# Altium PCB PCB.PcbDoc (part 1 of 3)
Units mm, origin at the board's own origin, x right, y up, seen from the top; angles counter-clockwise.
Board outline 150 x 100 mm, 4 copper layers (L1, L2, L3, L4), stack 1.787 mm thick; 184 components, 112 nets, 659 pads, 390 vias.
Unrouted connection lines stored in the file: 247.
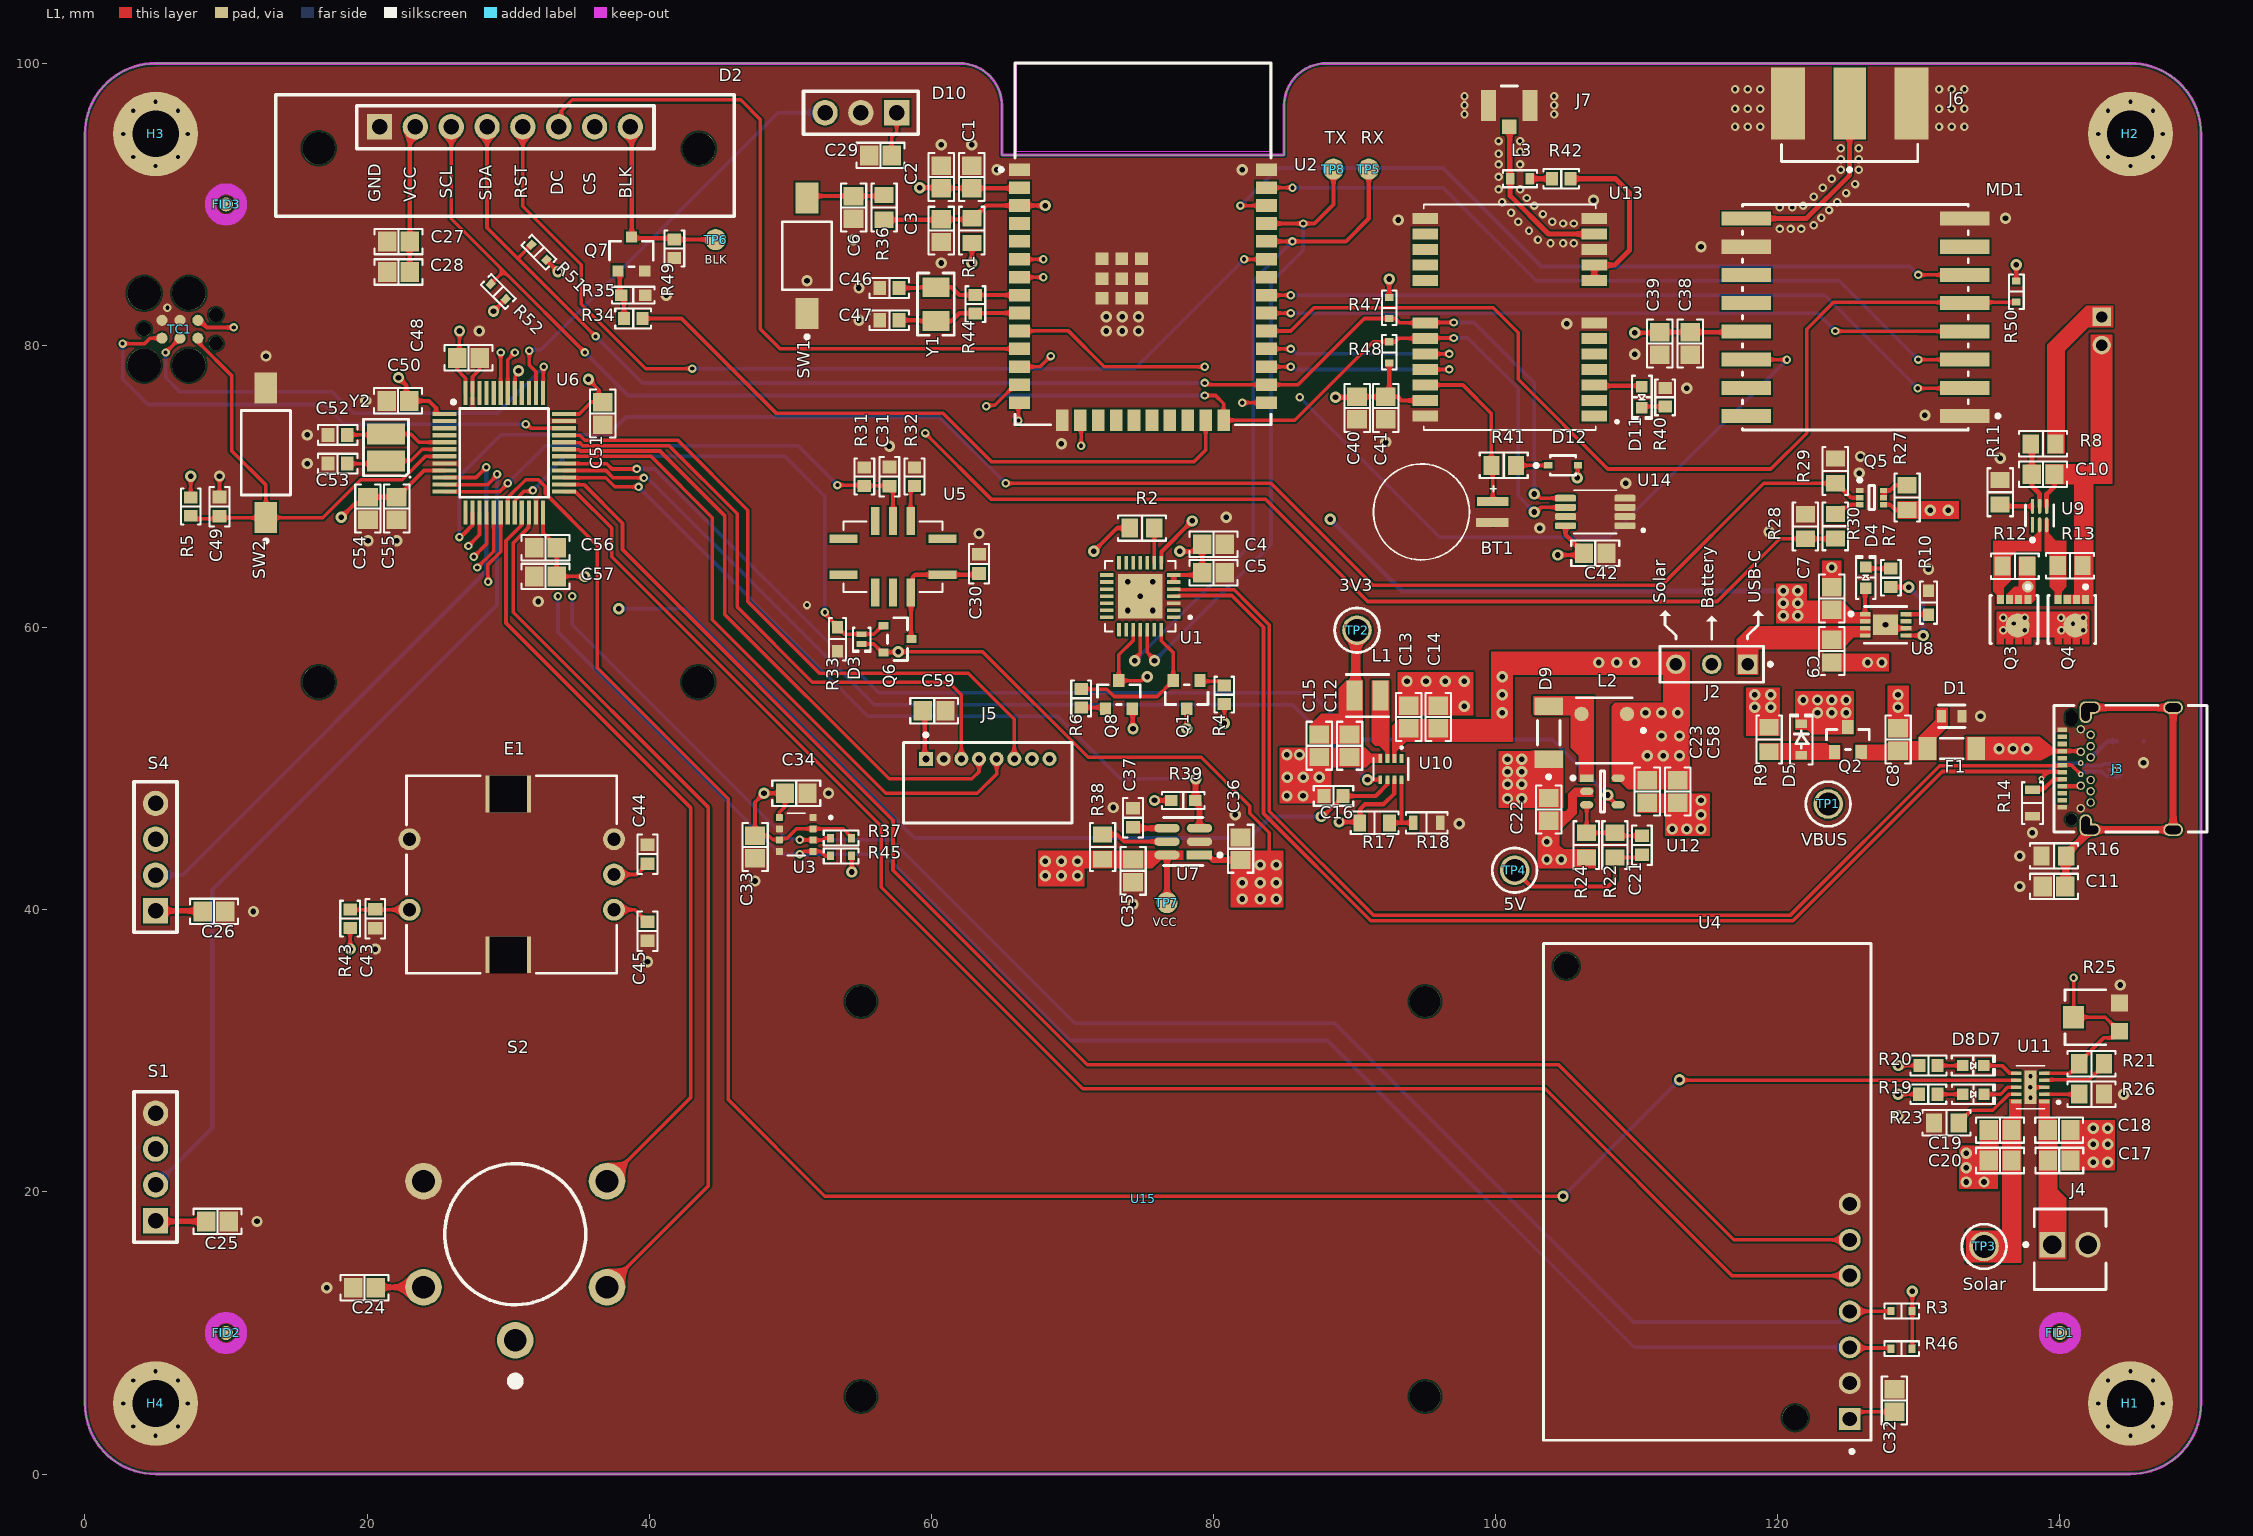
[diagram p0: L1 view]
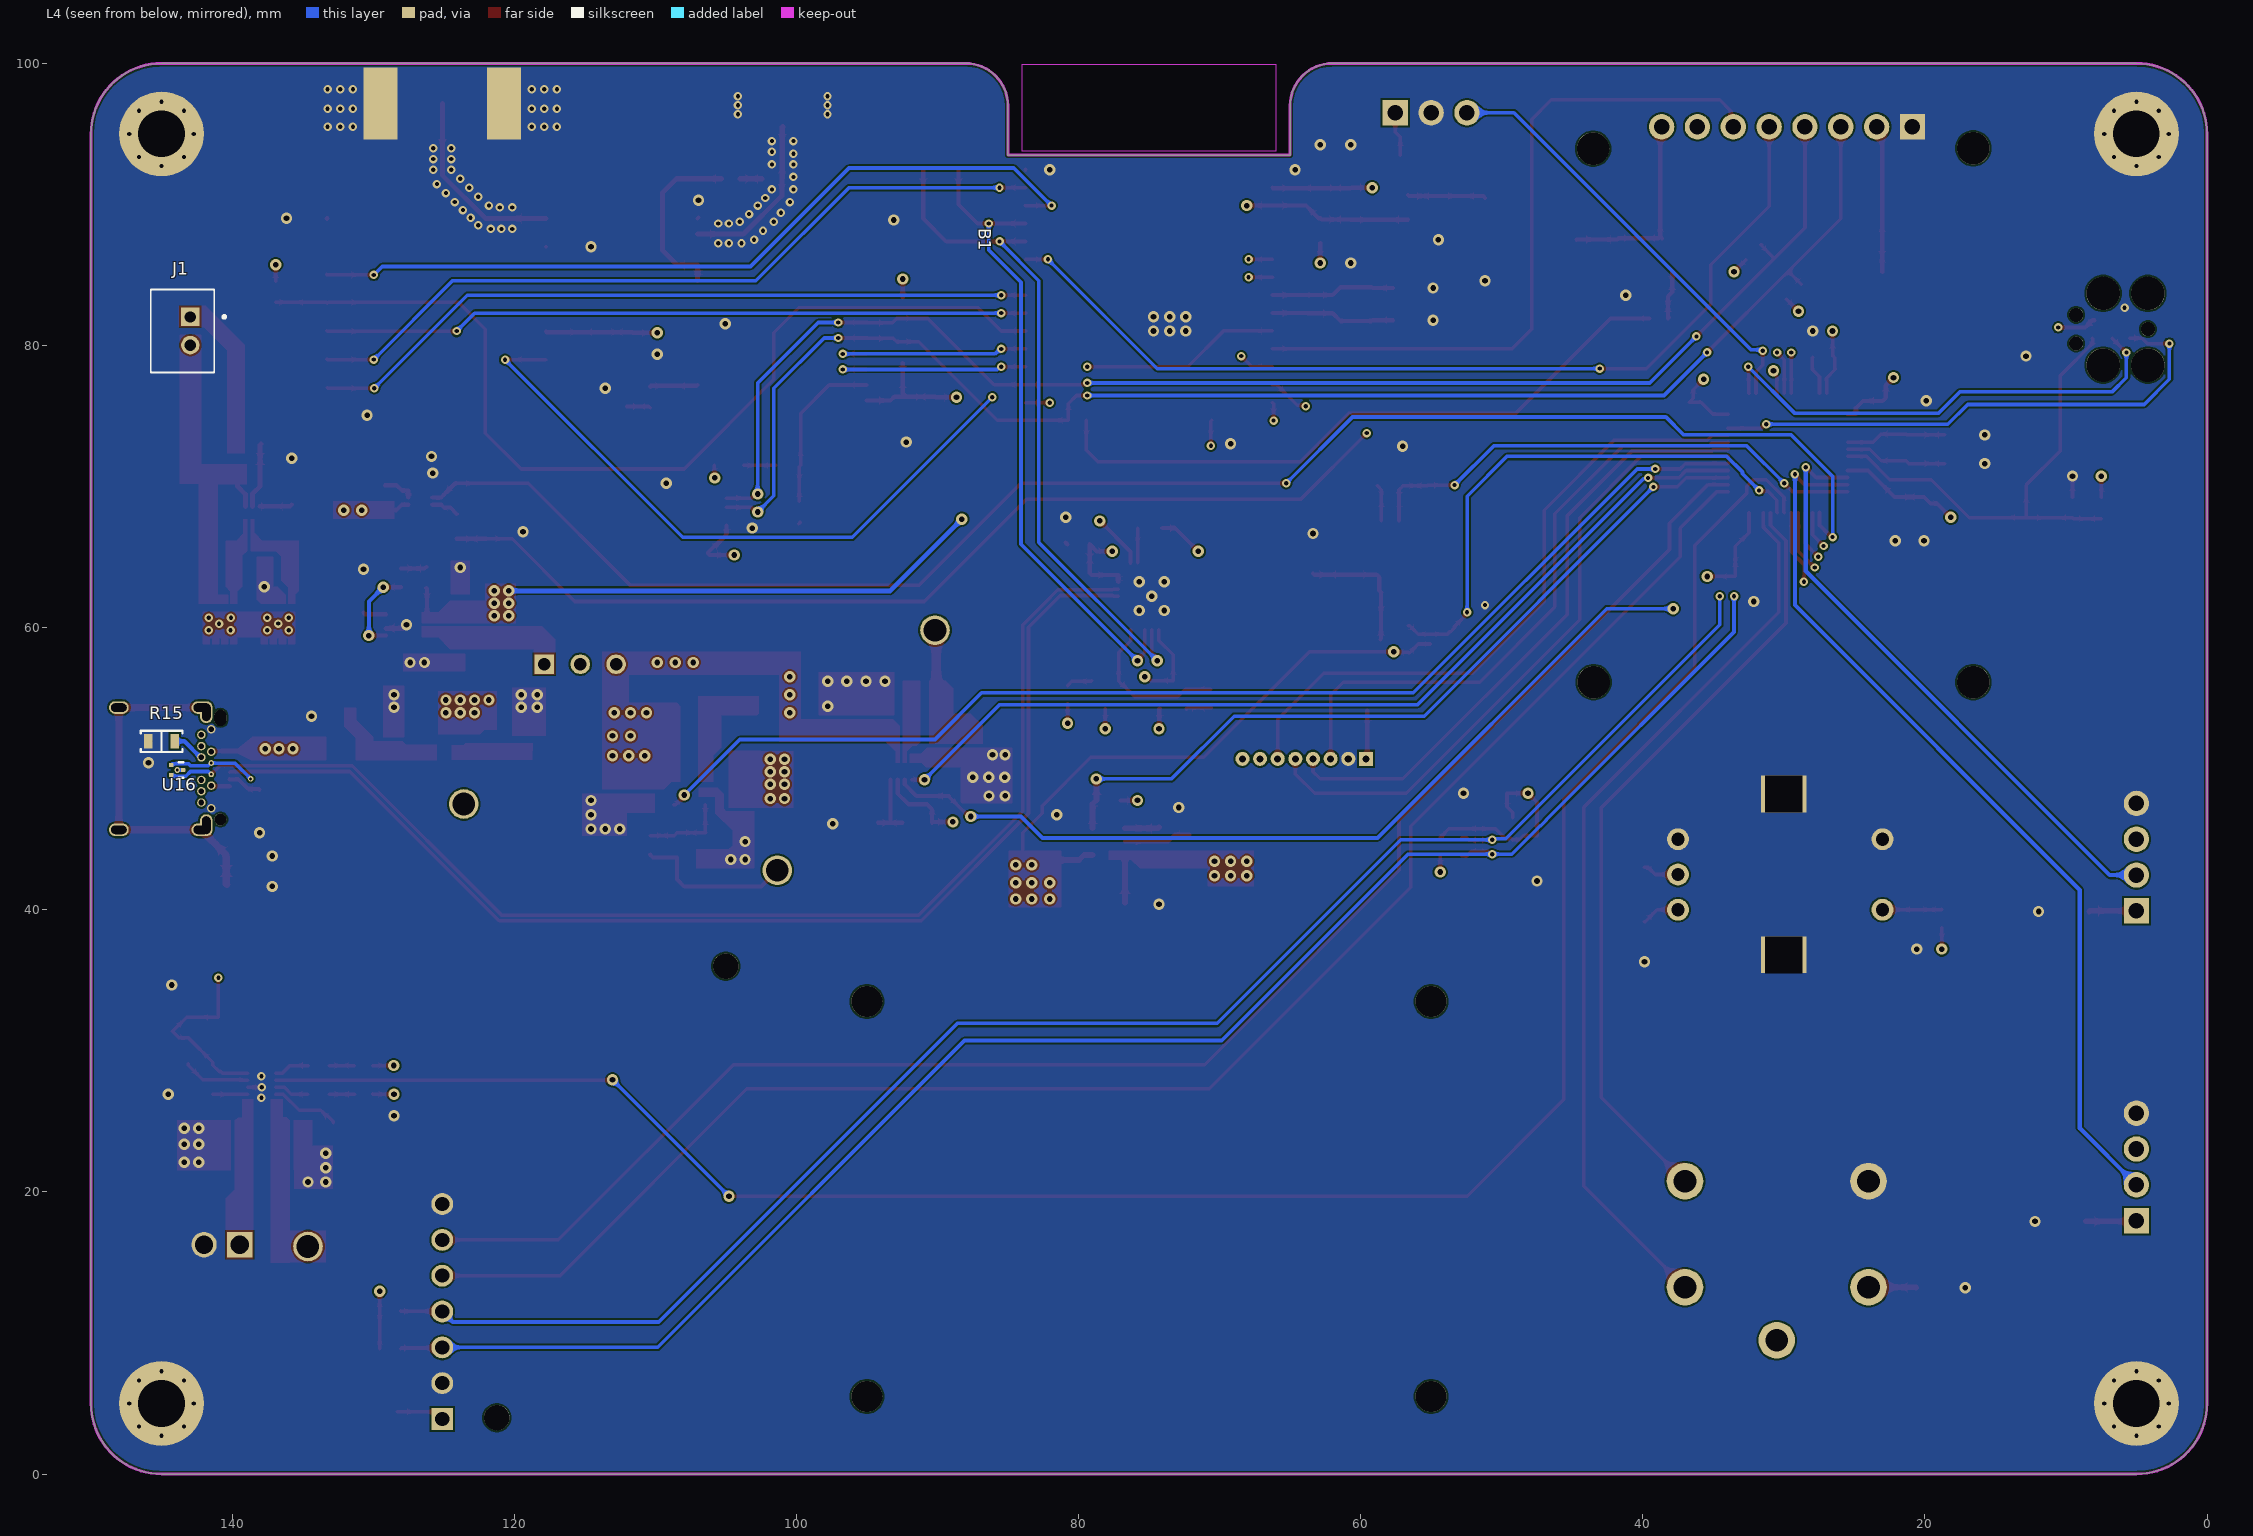
[diagram p1: L4 view, seen from below]
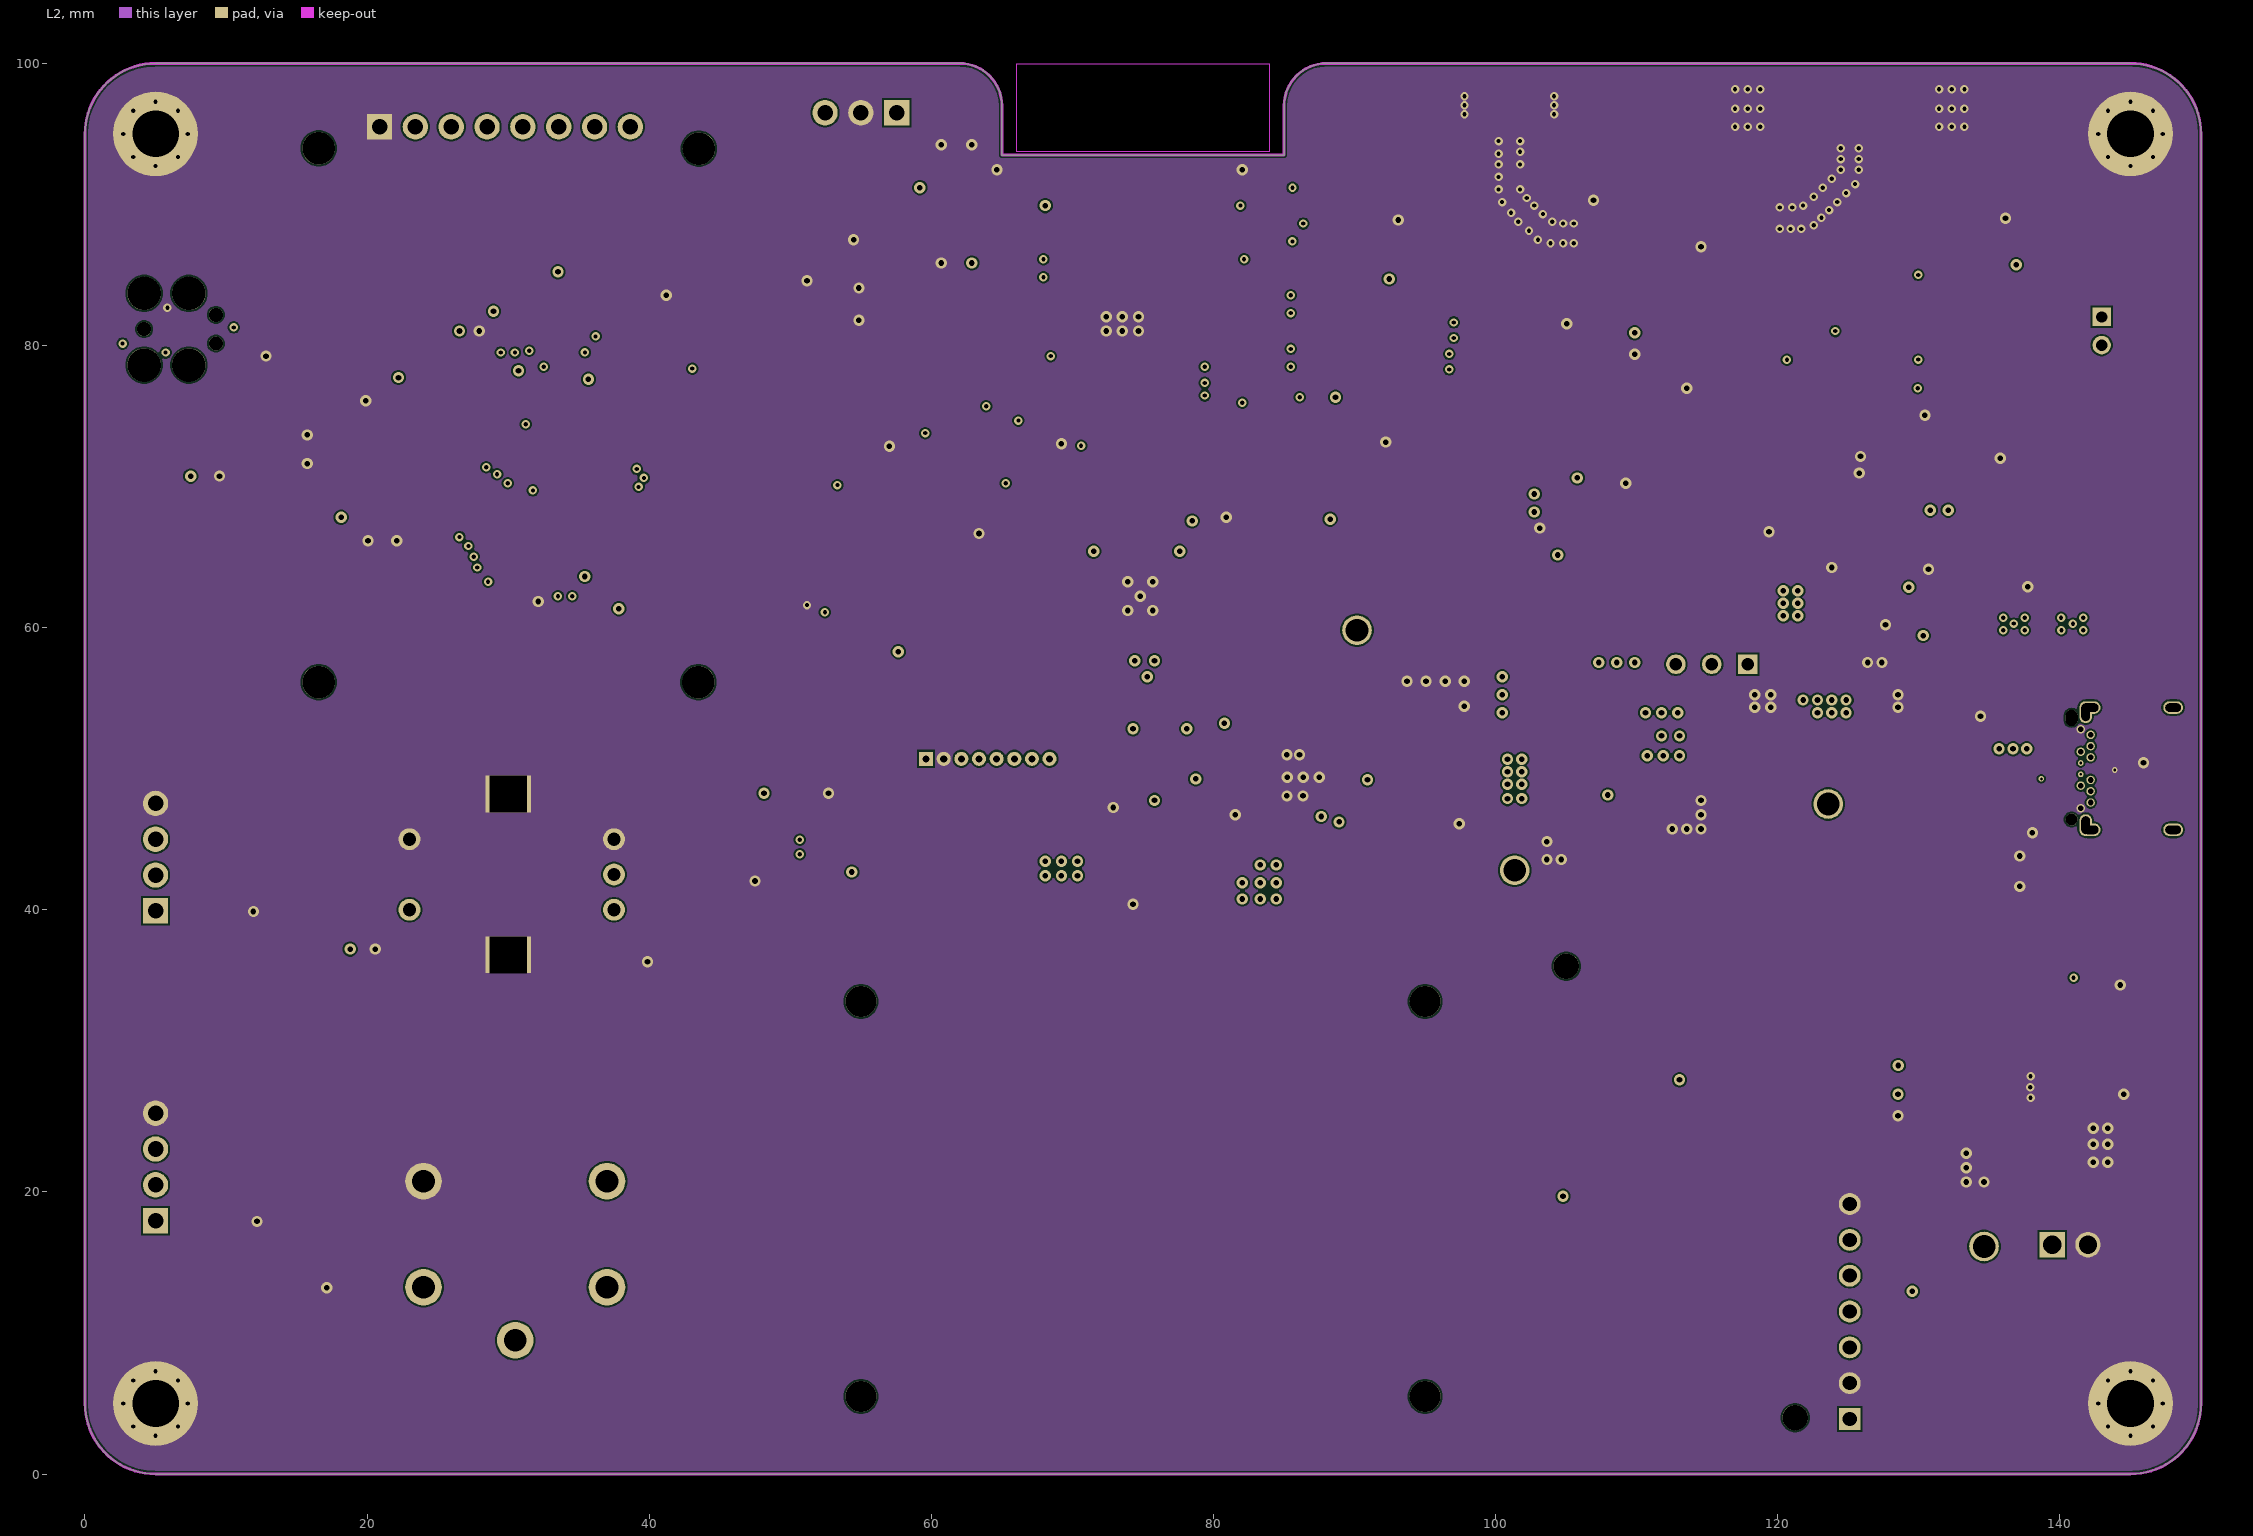
[diagram p2: L2]
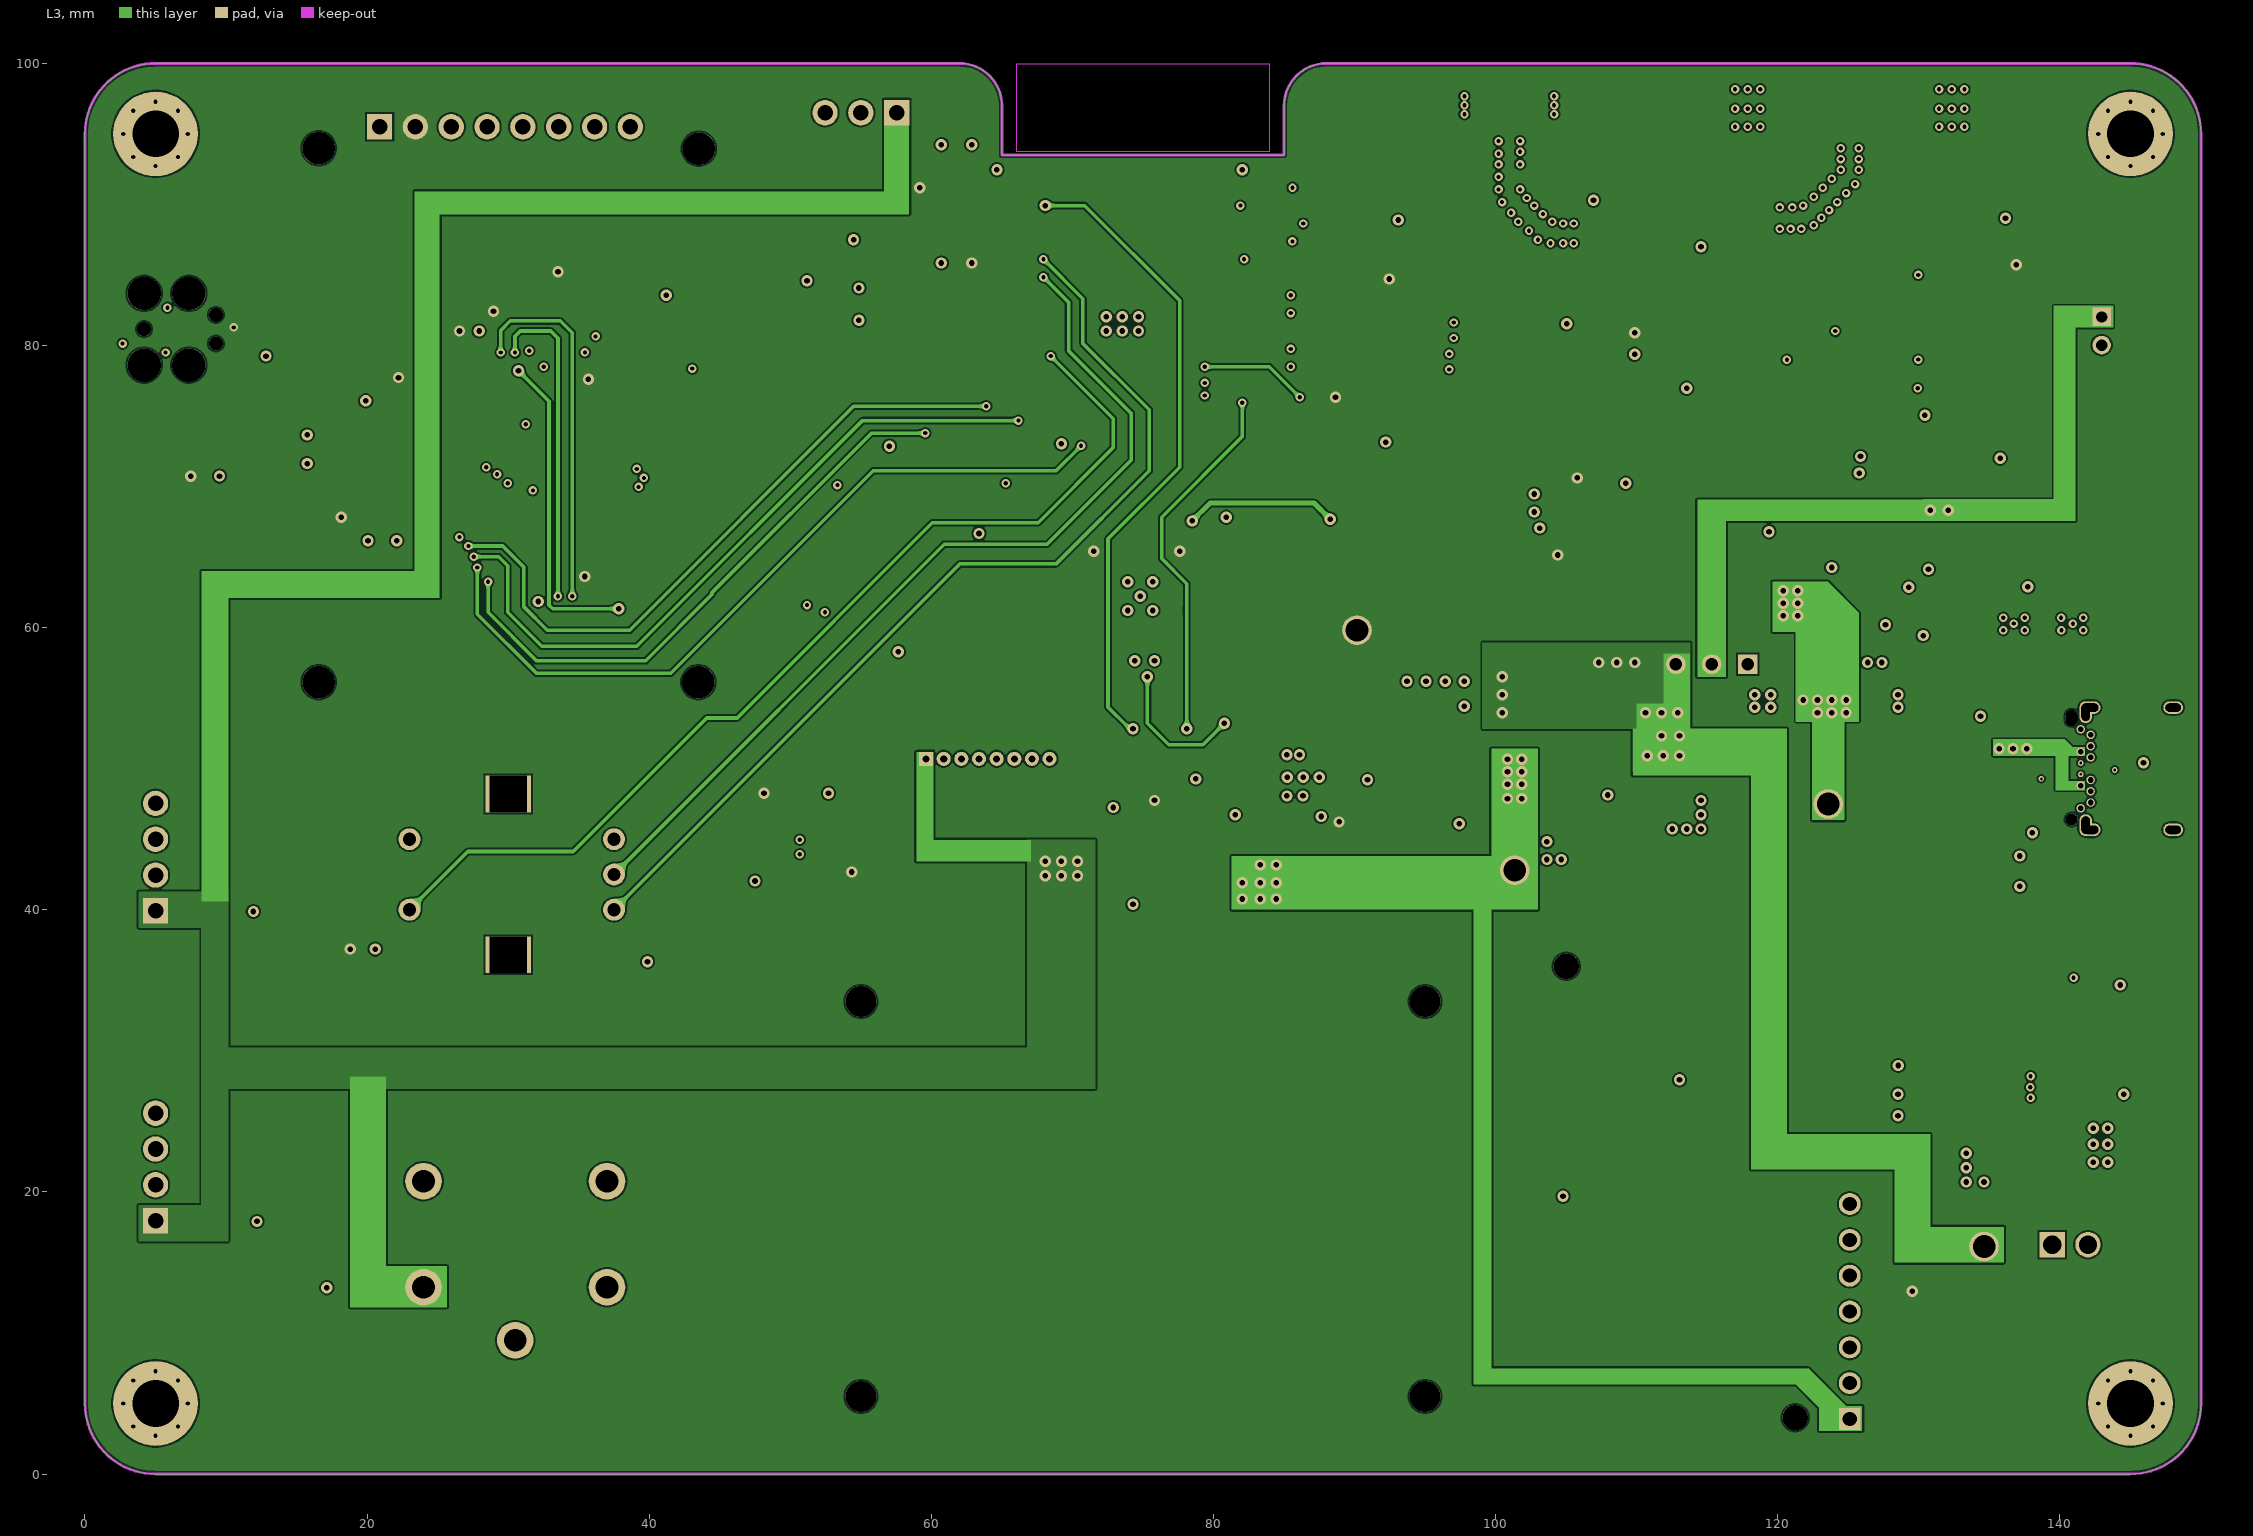
[diagram p3: L3]

## Layer stack, top to bottom
Top Solder: solder mask 0.0102, Solder Resist, Dk 3.5
L1: signal copper 0.0356
Dielectric 1: prepreg 0.2104, PP-022, Dk 4.5
L2: signal copper 0.0152
Dielectric 2: core 1.265, Core, Dk 4.3
L3: signal copper 0.0152
Dielectric 3: prepreg 0.2104, PP-022, Dk 4.5
L4: signal copper 0.0356
Bottom Solder: solder mask 0.0102, Solder Resist, Dk 3.5

## Board outline
0,5 0,95 cw(c5,95) 5,100 62,100 cw(c62,97) 65,97 65,93.5 85,93.5 85,97 cw(c88,97) 88,100 145,100 cw(c145,95) 150,95 150,5 cw(c145,5) 145,0 5,0 cw(c5,5)

## Design rules (kind name [scope] priority, off if disabled: settings)
Clearance [All] p1: gap=0.125 ignorepadtopadclearanceinfootprint=TRUE
ComponentClearance [All] p1: gap=0 collisioncheckmode=3 verticalgap=0 showdistances=FALSE
DiffPairsRouting [All] p1: maxlimit=0.254 minlimit=0.15 mostfreqgap=0.254 toplayer_maxgap=0.15 toplayer_prefgap=0.15 toplayer_minwidth=0.254 toplayer_maxwidth=0.254 toplayer_prefwidth=0.254 bottomlayer_maxgap=0.15 bottomlayer_prefgap=0.15 bottomlayer_minwidth=0.254 bottomlayer_maxwidth=0.254 bottomlayer_prefwidth=0.254 impedanceprofiledriven=TRUE impedanceprofileid={AFBB709E-0D75-4EC7-BF6A-A55F88961A10} impedanceprofilevalue=90.000000 maxuncoupledlength=12.7
Height [All] p1: minheight=0 maxheight=50 prefheight=40
MinimumSolderMaskSliver [All] p1: minsoldermaskwidth=0
PolygonConnect [All] p1: connectstyle=Direct reliefconductorwidth=0.254 reliefentries=4 polygonreliefangle="90 Angle" airgapwidth=0.254
RoutingVias [All] p1: holewidth=0.4 width=0.8 viastyle="Through Hole" minholewidth=0.2 minwidth=0.4 maxholewidth=1.1 maxwidth=2
SilkToSolderMaskClearance [IsPad] p1: minsilkscreentomaskgap=0 clearancetoexposedcopper=TRUE
SolderMaskExpansion [All] p1: expansion=0.102 istentingtop=FALSE
SupplyNets "Schematic Supply Nets_2" [InNet('VCC')] p1: voltage=0.000
SupplyNets "Schematic Supply Nets_4" [InNet('BAT+')] p2: voltage=0.000
SupplyNets "Schematic Supply Nets_3" [InNet('5V')] p3: voltage=0.000
SupplyNets "Schematic Supply Nets_1" [InNet('GND')] p4: voltage=0.000
SupplyNets "Schematic Supply Nets" [InNet('3V3')] p5: voltage=0.000
Width [InNetClass('RF_50Ω')] p1: maxlimit=0.362 minlimit=0.276 preferedwidth=0.362 toplayer_minwidth=0.362 midlayer1_maxwidth=0.276 midlayer1_prefwidth=0.276 midlayer2_maxwidth=0.276 midlayer2_prefwidth=0.276 bottomlayer_minwidth=0.362 impedanceprofiledriven=TRUE impedanceprofileid={6E4FDA3C-CE47-4F44-81C1-1DD68CD8C2CD} impedanceprofilevalue=50.000000 minimp=50.000000 maximp=50.000000 favimp=50.000000
25 further rules are at their usual default settings.

## Classes and differential pairs
net class RF_50Ω: NetJ7_1 NetL3_2 NetR42_2
differential pair class USB_90: D
component class Lora: C38 C39 J6 MD1 R50
component class GPS: C40 C41 C42 D11 D12 J7 L3 R40 R41 R42 R47 R48 U13 U14
component class Sensors: C24 C25 C26 C27 C28 C29 C30 C31 C32 C33 C34 C35 C36 C37 C59 D2 D3 D10 FID1 FID2 FID3 H1 H2 H3 H4 J5 Q6 Q7 R3 R31 R32 R33 R34 R35 R37 R38 R39 R45 R46 R49 R51 R52 S1 S2 S4 TP6 TP7 U3 U4 U5 U7 U15
component class Power: B1 C7 C8 C9 C10 C11 C12 C13 C14 C15 C16 C17 C18 C19 C20 C21 C22 C23 C58 D1 D4 D5 D7 D8 D9 F1 J1 J2 J3 J4 L1 L2 Q2 Q3 Q4 Q5 R7 R8 R9 R10 R11 R12 R13 R14 R15 R16 R17 R18 R19 R20 R21 R22 R23 R24 R25 R26 R27 R28 R29 R30 TP1 TP2 TP3 TP4 U8 U9 U10 U11 U12 U16
component class MCU: C1 C2 C3 C4 C5 C6 C43 C44 C45 C46 C47 C48 C49 C50 C51 C52 C53 C54 C55 C56 C57 E1 Q1 Q8 R1 R2 R4 R5 R6 R36 R43 R44 SW1 SW2 TC1 TP5 TP8 U1 U2 U6 Y1 Y2
differential pair D: +D_P -D_N
